# Altium PCB 控制盒基板.PcbDoc (part 5 of 8) (continued)
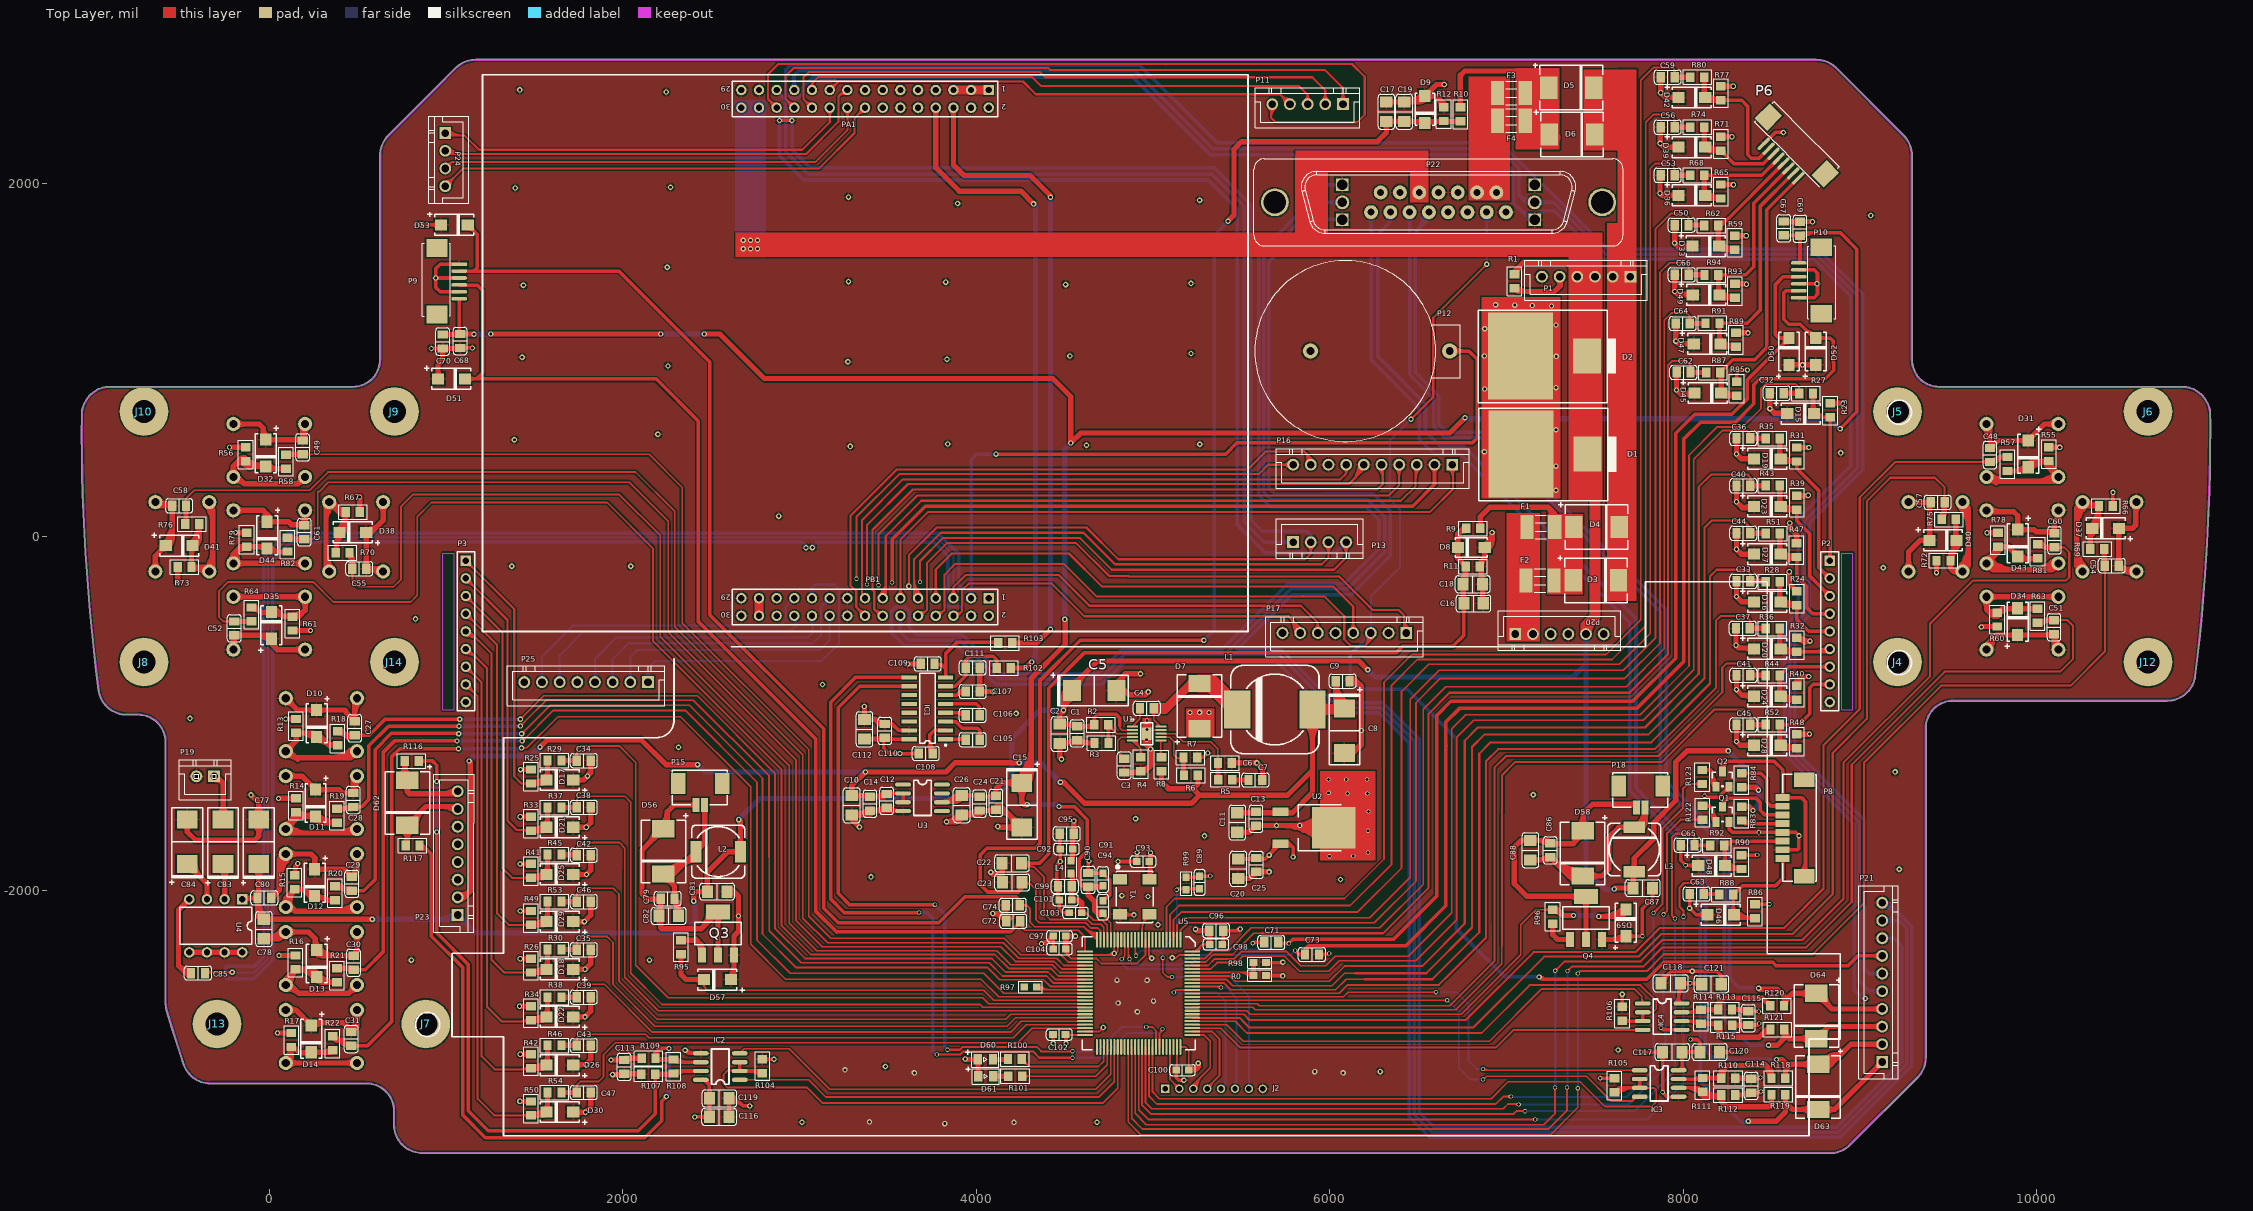
[diagram p0: Top Layer view]
## Nets (pads, with @x,y where several pads share a name; then routed paths per layer and width w, separated by ;. In a path a pad name is that pad's centre, name@x,y a point inside that pad or via, vN(x,y) a via of type N, cw(c..) or ccw(c..) an arc to the next point about the centre after c; other vN are vias at no path point) (continued)
NetD60_2: D60.2 R100.2 | length 85.6
  Top Layer w30: D60.2@4094.27,-2957 4175.63,-2957 R100.2@4178.63,-2954
NetD61_2: D61.2 R101.2 | length 84.7
  Top Layer w30: D61.2@4097.27,-3052.6 4180.59,-3052.6 R101.2@4181.59,-3051.6
NetIC2_6: IC2.6 R108.1 R109.2 R117.2 | length 4505.2
  Top Layer w20: R117.2@850.37,-1746 869,-1746 917,-1794 917,-2259 1096,-2438 1096,-3273 1222,-3399 2072,-3399 2125,-3399 2221,-3303 2221,-3194 v1@2248,-3167 ; R109.2@2185.41,-2950 2185.41,-2918.59 ; v1(2262,-2895) 2261,-2894 2210,-2894 ; R108.1@2287.04,-2957.63 2301.7,-2972.29 IC2.6@2442,-2972.29 ; R108.1@2299.57,-2968.2 cw(c2317.23,-2989.88) 2331.21,-2965.67 ; 2185.41,-2918.59 ccw(c2206.3,-2918.59) 2193.65,-2935.22 cw(c2206.3,-2918.59) 2185.41,-2918.59 ; 2185.41,-2918.59 cw(c2164.52,-2918.59) 2177.16,-2935.22 ccw(c2164.52,-2918.59) 2185.41,-2918.59 ; 2185.41,-2918.59 2210,-2894 ; 2210,-2894 ccw(c2243.48,-2927.48) 2198.38,-2941.91 cw(c2243.48,-2927.48) 2210,-2894 ; R117.2@850.37,-1763.56 cw(c850.37,-1850.93) 912.15,-1789.15 ccw(c850.37,-1850.93) R117.2@850.37,-1763.56 ; R117.2@850.37,-1743.56 cw(c850.37,-1782.64) 878.01,-1755.01 ccw(c850.37,-1782.64) R117.2@850.37,-1743.56 ; R109.2@2179.33,-2948.01 cw(c2208.34,-2938.73) 2186.8,-2917.2 ccw(c2208.34,-2938.73) R109.2@2179.33,-2948.01 ; R108.1@2286.47,-2962.14 ccw(c2310.97,-2937.64) 2310.97,-2972.29 cw(c2310.97,-2937.64) R108.1@2286.47,-2962.14 ; R108.1@2300.61,-2948 ccw(c2359.25,-2889.35) 2359.25,-2972.29 cw(c2359.25,-2889.35) R108.1@2300.61,-2948
  Top Layer w30: R109.2@2185.41,-2950 2193.04,-2957.63 R108.1@2287.04,-2957.63 ; R109.2@2191.51,-2947.84 ccw(c2215.14,-2924.21) 2215.14,-2957.63 cw(c2215.14,-2924.21) R109.2@2191.51,-2947.84
  Bottom Layer w20: v1(2247,-3167) 2262,-3152 v1(2262,-2895) ; v1@2251.83,-3165.71 cw(c2279.42,-3158.31) 2254.68,-3144.03 ; v1@2243.46,-3163.46 ccw(c2198.72,-3118.72) 2262,-3118.72 cw(c2198.72,-3118.72) v1@2243.46,-3163.46
NetIC2_7: IC2.7 R107.1 R108.2 R116.2 | length 4202.1
  Top Layer w20: R116.2@845.37,-1268 924,-1268 948,-1292 v1(948,-1384) ; v1(948,-1670) 948,-2241 1127,-2420 1127,-3248 1240,-3361 2088,-3361 2184.41,-3264.59 R107.1@2184.41,-3040 ; R108.2@2283.41,-3040 R108.2@2287.04,-3036.37 2301.12,-3022.29 IC2.7@2442,-3022.29 ; R108.2@2299.84,-3026.02 ccw(c2317.07,-3005.9) 2330.32,-3028.85 ; 878.26,-1268 ccw(c878.26,-1300.89) 855,-1277.63 cw(c878.26,-1300.89) 878.26,-1268 ; 878.26,-1268 cw(c878.26,-1235.11) 855,-1258.37 ccw(c878.26,-1235.11) 878.26,-1268 ; 2184.41,-3076.82 ccw(c2151.52,-3076.82) 2174.78,-3053.57 cw(c2151.52,-3076.82) 2184.41,-3076.82 ; 2184.41,-3076.82 cw(c2217.3,-3076.82) 2194.04,-3053.57 ccw(c2217.3,-3076.82) 2184.41,-3076.82 ; R108.2@2300.61,-3046 cw(c2357.85,-3103.25) 2357.85,-3022.29 ccw(c2357.85,-3103.25) R108.2@2300.61,-3046
  Top Layer w30: R107.1@2184.41,-3040 R108.2@2283.41,-3040 ; 2253.52,-3040 ccw(c2253.52,-3006.79) 2277,-3030.27 cw(c2253.52,-3006.79) 2253.52,-3040
  Bottom Layer w20: v1@943,-1675 v1(948,-1670) v1(948,-1384)
NetIC3_6: IC3.6 R111.1 R112.2 R119.2 | length 1588.9
  Top Layer w20: IC3.6@7974.04,-3117.71 8087.34,-3117.71 R111.1@8110,-3140.37 ; 8053.58,-3125.26 ccw(c8079.69,-3080.04) R111.1@8100.61,-3127.89 ; IC3.6@8008.04,-3119.44 cw(c8015.5,-3132.37) 8019.37,-3117.95 ccw(c8015.5,-3132.37) IC3.6@8008.04,-3119.44 ; IC3.6@8018.47,-3117.71 cw(c8018.47,-3227.97) 8096.43,-3150 ccw(c8018.47,-3227.97) IC3.6@8018.47,-3117.71 ; 8066.75,-3117.71 cw(c8066.75,-3179.68) 8110.57,-3135.86 ccw(c8066.75,-3179.68) 8066.75,-3117.71
  Top Layer w30: R111.1@8110,-3140.37 8110,-3153 8126,-3169 ; R111.1@8116.17,-3148.7 cw(c8128.92,-3196.27) 8153.54,-3153.62 ; R111.1@8121.54,-3144.43 ccw(c8140.66,-3154.63) 8129.83,-3173.39 ; R111.1@8121.72,-3144.08 ccw(c8141.49,-3153.51) 8126,-3169 ; 8173.82,-3160.95 ccw(c8182.36,-3129.09) R112.2@8208.73,-3148.89 ; R112.2@8222.28,-3167.42 ccw(c8244.55,-3185.76) 8224.15,-3206.15 ; R112.2@8224.07,-3163.71 ccw(c8288.7,-3177.3) 8242,-3224 ; R119.2@8499.63,-3156 8499.63,-3212.37 8488,-3224 8242,-3224 ; 8126,-3169 8204.63,-3169 R112.2@8215.63,-3158 8215.63,-3197.63 8242,-3224 ; R111.1@8098.82,-3155.49 ccw(c8131.44,-3122.86) 8131.44,-3169 cw(c8131.44,-3122.86) R111.1@8098.82,-3155.49 ; R111.1@8120.03,-3134.27 ccw(c8203.87,-3050.44) 8203.87,-3169 cw(c8203.87,-3050.44) R111.1@8120.03,-3134.27 ; 8177.76,-3169 ccw(c8177.76,-3124.07) 8209.53,-3155.84 cw(c8177.76,-3124.07) 8177.76,-3169
NetIC3_7: IC3.7 R110.1 R111.2 R118.2 | length 1142.7
  Top Layer w20: IC3.7@7974.04,-3067.71 8103.92,-3067.71 R111.2@8110,-3061.63 ; 8058.5,-3067.71 ccw(c8058.5,-3014.07) 8096.43,-3052 cw(c8058.5,-3014.07) 8058.5,-3067.71
  Top Layer w30: R111.2@8110,-3061.63 8214.26,-3061.63 R110.1@8215.63,-3063 8215.63,-3022.37 8247,-2991 ; R110.1@8210.4,-3052.21 ccw(c8180.51,-3013.07) 8229.32,-3019.61 ; 8459.15,-2982.15 cw(c8382.24,-3059.06) R118.2@8491.01,-3059.06 ; 8480.99,-3021.69 ccw(c8528.57,-3008.95) R118.2@8503.94,-3051.6 ; R118.2@8491.07,-3058.01 ccw(c8410.85,-3048.16) 8468,-2991 ; R118.2@8499.63,-3063 8499.63,-3022.63 8468,-2991 ; 8247,-2991 ccw(c8303.68,-3047.69) 8224.18,-3057.96 cw(c8303.68,-3047.69) 8247,-2991 ; 8247,-2991 8468,-2991 ; 8191.51,-3061.63 cw(c8191.51,-3087.12) 8209.53,-3069.1 ccw(c8191.51,-3087.12) 8191.51,-3061.63
NetIC4_6: IC4.6 R114.1 R115.2 R121.2 | length 1120.4
  Top Layer w20: IC4.6@7991.04,-2739.71 8086.34,-2739.71 R114.1@8101,-2754.37 ; 8056.83,-2746.33 ccw(c8070.81,-2722.11) R114.1@8088.47,-2743.81 ; IC4.6@8028.78,-2739.71 cw(c8028.78,-2822.65) 8087.43,-2764 ccw(c8028.78,-2822.65) IC4.6@8028.78,-2739.71 ; R114.1@8077.06,-2739.71 cw(c8077.06,-2774.37) 8101.57,-2749.86 ccw(c8077.06,-2774.37) R114.1@8077.06,-2739.71
  Top Layer w30: R114.1@8101,-2754.37 8190,-2754.37 R115.2@8198.63,-2763 8198.63,-2801.63 8229,-2832 ; R115.2@8206.07,-2771.29 ccw(c8236.95,-2789.36) 8211.65,-2814.65 ; R115.2@8207.18,-2768.04 ccw(c8283.18,-2777.81) 8229,-2832 ; 8456.26,-2809.57 ccw(c8443.51,-2762) R121.2@8486.16,-2786.63 ; R121.2@8472.63,-2788 8428.63,-2832 8229,-2832 ; R121.2@8493.63,-2787 8495.63,-2789 R121.2@8497,-2789 ; 8166.48,-2754.37 cw(c8166.48,-2791.21) 8192.53,-2765.16 ccw(c8166.48,-2791.21) 8166.48,-2754.37 ; 8438.05,-2822.58 cw(c8493.63,-2878.16) 8493.63,-2799.56 ccw(c8493.63,-2878.16) 8438.05,-2822.58
NetIC4_7: IC4.7 R113.1 R114.2 R120.2 | length 994
  Top Layer w20: IC4.7@7991.04,-2689.71 8086.92,-2689.71 R114.2@8101,-2675.63 R114.2@8102.63,-2674 ; 8057.72,-2683.15 cw(c8070.97,-2706.09) R114.2@8088.2,-2685.98 ; IC4.7@8030.19,-2689.71 ccw(c8030.19,-2608.76) 8087.43,-2666 cw(c8030.19,-2608.76) IC4.7@8030.19,-2689.71
  Top Layer w30: R114.2@8101,-2675.63 8196,-2675.63 R113.1@8197.63,-2674 8197.63,-2636.37 8225,-2609 ; R113.1@8192.1,-2663.44 ccw(c8160.55,-2625.63) 8209.6,-2630.05 ; R120.2@8491.63,-2653 8447.63,-2609 8225,-2609 ; 8225,-2609 ccw(c8272.98,-2656.98) 8206.12,-2668.59 cw(c8272.98,-2656.98) 8225,-2609 ; 8172.88,-2675.63 ccw(c8172.88,-2649.25) 8191.53,-2667.9 cw(c8172.88,-2649.25) 8172.88,-2675.63 ; R120.2@8470.19,-2631.56 ccw(c8491.63,-2610.12) 8491.63,-2640.44 cw(c8491.63,-2610.12) R120.2@8470.19,-2631.56
NetP1_5: P1.5 R1.2 | length 637.3
  Top Layer w30: R1.2@7046,1406.63 7064.63,1388 7272,1388 7304,1420 P1.5@7304,1467 ; R1.2@7052.17,1398.3 cw(c7064.92,1350.73) 7089.54,1393.38 ; R1.2@7056.03,1412.73 ccw(c7115.73,1472.42) 7115.73,1388 cw(c7115.73,1472.42) R1.2@7056.03,1412.73 ; P1.5@7287.94,1458.94 cw(c7249.18,1420.18) 7304,1420.18 ccw(c7249.18,1420.18) P1.5@7287.94,1458.94 ; 7304,1434.67 cw(c7338.34,1434.67) 7314.06,1458.94 ccw(c7338.34,1434.67) 7304,1434.67
NetP8_5: P8.5 R83.2 | length 566
  Top Layer w20: R83.2@8331,-1605.37 8348.42,-1622.79 P8.5@8562.97,-1622.79 ; R83.2@8342.35,-1616.8 cw(c8361.65,-1646.59) 8379.4,-1615.85 ; 8519.91,-1622.79 ccw(c8519.91,-1599.41) 8536.44,-1615.95 cw(c8519.91,-1599.41) 8519.91,-1622.79 ; 8519.91,-1622.79 cw(c8519.91,-1646.18) 8536.44,-1629.64 ccw(c8519.91,-1646.18) 8519.91,-1622.79 ; R83.2@8330.43,-1609.88 ccw(c8361.6,-1578.7) 8361.6,-1622.79 cw(c8361.6,-1578.7) R83.2@8330.43,-1609.88 ; R83.2@8344.57,-1595.74 ccw(c8409.89,-1530.42) 8409.89,-1622.79 cw(c8409.89,-1530.42) R83.2@8344.57,-1595.74
NetP8_7: P8.7 R84.2 | length 560.5
  Top Layer w20: R84.2@8331,-1337.63 8438.63,-1337.63 8473,-1372 8473,-1499 8497,-1523 8561.62,-1523 P8.7@8562.97,-1524.35 ; 8367.82,-1337.63 ccw(c8367.82,-1370.52) 8344.57,-1347.26 cw(c8367.82,-1370.52) 8367.82,-1337.63 ; 8367.82,-1337.63 cw(c8367.82,-1304.74) 8344.57,-1328 ccw(c8367.82,-1304.74) 8367.82,-1337.63 ; 8516.64,-1523 cw(c8516.64,-1551.01) 8536.44,-1531.2 ccw(c8516.64,-1551.01) 8516.64,-1523 ; 8523.18,-1523 ccw(c8523.18,-1504.24) 8536.44,-1517.51 cw(c8523.18,-1504.24) 8523.18,-1523
NetQ1_1: Q1.1 R122.1 | length 508.4
  Top Layer w20: R122.1@8109,-1521.47 8110.53,-1523 8148,-1523 ; 8164.08,-1577.08 cw(c8137.82,-1603.34) Q1.1@8174.92,-1605 ; 8173.49,-1568.36 cw(c8141.77,-1587.16) Q1.1@8175.69,-1601.63 ; Q1.1@8175.07,-1603.69 ccw(c8149.92,-1599.08) 8168,-1581 ; Q1.1@8184.6,-1613.31 8184.6,-1597.6 8168,-1581 ; 8148,-1523 cw(c8148,-1488.48) 8122.86,-1512.14 ccw(c8148,-1488.48) 8148,-1523 ; 8148,-1523 8168,-1543 ; 8168,-1581 8168,-1543 ; 8168,-1543 ccw(c8245.6,-1543) 8191.37,-1598.51 cw(c8245.6,-1543) 8168,-1543 ; R122.1@8122.57,-1531.1 cw(c8142.14,-1550.67) 8142.14,-1523 ccw(c8142.14,-1550.67) R122.1@8122.57,-1531.1 ; Q1.1@8168,-1590.51 ccw(c8199.18,-1590.51) 8177.39,-1612.81 cw(c8199.18,-1590.51) Q1.1@8168,-1590.51
NetQ2_1: Q2.1 R123.1 | length 506.2
  Top Layer w20: R123.1@8108,-1319.47 8154.47,-1319.47 8165,-1330 8165,-1394.71 Q2.1@8184.6,-1414.31 ; 8170.78,-1363.79 cw(c8127.21,-1388.94) Q2.1@8175.33,-1403.61 ; 8144.82,-1319.47 ccw(c8144.82,-1352.36) 8121.57,-1329.1 cw(c8144.82,-1352.36) 8144.82,-1319.47 ; 8144.82,-1319.47 cw(c8144.82,-1286.59) 8121.57,-1309.84 ccw(c8144.82,-1286.59) 8144.82,-1319.47 ; 8165,-1384.02 ccw(c8207.01,-1384.02) 8177.3,-1413.73 cw(c8207.01,-1384.02) 8165,-1384.02 ; 8165,-1335.74 ccw(c8255.3,-1335.74) 8191.45,-1399.59 cw(c8255.3,-1335.74) 8165,-1335.74
NetQ3_1: Q3.1 R95.1 | length 361.7
  Top Layer w30: R95.1@2330,-2282.63 2418.63,-2282.63 ; 2413.1,-2277.1 cw(c2343.82,-2346.38) Q3.1@2441.8,-2346.38 ; 2434.07,-2317.54 ccw(c2470.78,-2307.7) Q3.1@2451.78,-2340.61 ; Q3.1@2441.82,-2345.83 ccw(c2362.01,-2339.26) 2418.63,-2282.63 ; Q3.1@2448.45,-2367.05 2448.45,-2312.45 2418.63,-2282.63
NetQ4_1: Q4.1 R96.1 | length 171.3
  Top Layer w30: R96.1@7262,-2188.37 7262,-2251 7289.05,-2278.05 Q4.1@7359.45,-2278.05
NetR0_2: R0.2 R98.2 U5.94 | length 858.2
  Top Layer w10: U5.94@5222.15,-2464.89 5551.46,-2464.89 R0.2@5568.57,-2482 ; 5526.21,-2473.67 ccw(c5539.77,-2451.94) R0.2@5556.82,-2471.05 ; 5534.29,-2468.57 ccw(c5547.41,-2445.84) R0.2@5559.72,-2469.03 ; 5537.53,-2480.73 ccw(c5549.02,-2462.31) R0.2@5563.48,-2478.51 ; 5543.09,-2473.66 cw(c5533.09,-2490.98) R0.2@5552.41,-2485.8 ; 5489.84,-2464.89 cw(c5489.84,-2558.76) 5556.21,-2492.38 ccw(c5489.84,-2558.76) 5489.84,-2464.89 ; 5513.98,-2464.89 cw(c5513.98,-2534.62) 5563.29,-2485.31 ccw(c5513.98,-2534.62) 5513.98,-2464.89 ; 5538.12,-2464.89 cw(c5538.12,-2510.48) 5570.36,-2478.24 ccw(c5538.12,-2510.48) 5538.12,-2464.89
  Top Layer w30: R0.2@5568.57,-2482 R98.2@5568.57,-2409
NetR2_2: R2.2 R3.2 U1.3 | length 741.3
  Top Layer w8: R2.2@4742.15,-1068.1 ccw(c4774.81,-1059.11) 4766.04,-1091.83 ; R2.2@4746.37,-1063 4748.37,-1065 4796.37,-1113 U1.3@4883.29,-1113 ; R2.2@4746.93,-1062.59 cw(c4743.39,-1090.23) 4770.3,-1083.02 ; R2.2@4746.37,-1086.56 cw(c4746.37,-1143.44) 4786.59,-1103.22 ccw(c4746.37,-1143.44) R2.2@4746.37,-1086.56 ; R2.2@4746.37,-1078.56 cw(c4746.37,-1116.12) 4772.93,-1089.56 ccw(c4746.37,-1116.12) R2.2@4746.37,-1078.56 ; R2.2@4765.99,-1066.94 ccw(c4803.86,-1066.94) 4777.08,-1093.71 cw(c4803.86,-1066.94) R2.2@4765.99,-1066.94
  Top Layer w20: R3.2@4748.37,-1166 R2.2@4748.37,-1065 ; 4748.37,-1129.18 ccw(c4781.26,-1129.18) 4758,-1152.43 cw(c4781.26,-1129.18) 4748.37,-1129.18 ; 4748.37,-1129.18 cw(c4715.48,-1129.18) 4738.74,-1152.43 ccw(c4715.48,-1129.18) 4748.37,-1129.18 ; R2.2@4736.74,-1076.57 cw(c4708.66,-1104.65) 4748.37,-1104.65 ccw(c4708.66,-1104.65) R2.2@4736.74,-1076.57 ; 4748.37,-1095 cw(c4774.43,-1095) 4756,-1076.57 ccw(c4774.43,-1095) 4748.37,-1095
NetR4_2: R4.2 U1.5 | length 462.3
  Top Layer w8: U1.5@4883.29,-1152.37 4931,-1200.08 ; U1.5@4886.79,-1152.37 ccw(c4895.23,-1152.37) 4889.26,-1158.34 ; U1.5@4894.79,-1152.37 ccw(c4922.54,-1152.37) 4902.92,-1172 ; U1.5@4902.79,-1152.37 ccw(c4949.85,-1152.37) 4916.57,-1185.65 ; U1.5@4910.79,-1152.37 ccw(c4977.17,-1152.37) 4930.23,-1199.31 ; R4.2@4931,-1246.63 4931,-1200.08 ; 4931,-1219.06 ccw(c4957.89,-1219.06) 4939.12,-1238.31 cw(c4957.89,-1219.06) 4931,-1219.06 ; 4931,-1219.06 cw(c4904.11,-1219.06) 4922.89,-1238.31 ccw(c4904.11,-1219.06) 4931,-1219.06 ; 4931,-1200.08 ccw(c4976.4,-1200.08) 4944.7,-1232.58 cw(c4976.4,-1200.08) 4931,-1200.08 ; 4931,-1200.08 cw(c4885.6,-1200.08) 4917.3,-1232.58 ccw(c4885.6,-1200.08) 4931,-1200.08
NetR6_1: R6.1 R7.2 U1.7 | length 460.7
  Top Layer w8: U1.7@5044.71,-1132.68 5095.68,-1132.68 5119,-1156 5119,-1233 5138,-1252 ; R7.2@5172.63,-1248 5168.63,-1252 5138,-1252 ; 5138,-1252 ccw(c5138,-1231.32) 5155.77,-1241.9 cw(c5138,-1231.32) 5138,-1252 ; 5138,-1252 cw(c5138,-1272.81) 5155.82,-1262.07 ccw(c5138,-1272.81) 5138,-1252
  Top Layer w30: R7.2@5172.63,-1248 5172.63,-1346 R6.1@5175.63,-1349 ; 5172.63,-1317 ccw(c5203.69,-1317) 5181.73,-1338.97 cw(c5203.69,-1317) 5172.63,-1317
NetR8_1: R8.1 U1.6 | length 333.6
  Top Layer w8: U1.6@5044.71,-1152.37 5044.71,-1244.34 R8.1@5048,-1247.63 ; R8.1@5030.19,-1233.76 ccw(c4995.13,-1198.7) 5044.71,-1198.7 cw(c4995.13,-1198.7) R8.1@5030.19,-1233.76 ; R8.1@5035.85,-1239.41 ccw(c5014.45,-1218.02) 5044.71,-1218.02 cw(c5014.45,-1218.02) R8.1@5035.85,-1239.41 ; 5044.71,-1221.13 ccw(c5070.56,-1221.13) 5052.28,-1239.41 cw(c5070.56,-1221.13) 5044.71,-1221.13 ; 5044.71,-1201.82 ccw(c5089.88,-1201.82) 5057.94,-1233.76 cw(c5089.88,-1201.82) 5044.71,-1201.82
NetR97_1: R97.1 U5.37 | length 678.7
  Top Layer w10: R97.1@4343.43,-2547 4358.81,-2562.38 4614.92,-2562.38 U5.37@4615.85,-2563.31 ; R97.1@4348.6,-2550.43 cw(c4363.2,-2566.06) 4374.24,-2547.74 ; R97.1@4353.3,-2559.38 cw(c4364.58,-2577.06) 4375.06,-2558.9 ; R97.1@4355.42,-2557.74 cw(c4372.59,-2576.13) 4385.58,-2554.58 ; R97.1@4359.59,-2543.2 ccw(c4378.91,-2538.02) 4368.91,-2555.35 ; R97.1@4341.64,-2550.76 ccw(c4369.7,-2522.7) 4369.7,-2562.38 cw(c4369.7,-2522.7) R97.1@4341.64,-2550.76 ; R97.1@4348.71,-2543.69 ccw(c4393.84,-2498.56) 4393.84,-2562.38 cw(c4393.84,-2498.56) R97.1@4348.71,-2543.69 ; R97.1@4355.79,-2536.62 ccw(c4417.98,-2474.42) 4417.98,-2562.38 cw(c4417.98,-2474.42) R97.1@4355.79,-2536.62
NRST: C89.1 J2.7 R99.2 U5.14 | length 2617.1
  Top Layer w10: U5.14@4899.31,-2279.85 4899.31,-2365.31 v2(4904,-2370) ; v2@4900.02,-2364.24 ccw(c4895.47,-2357.68) 4902.39,-2353.68 ; v2(5056,-2382) 5056,-2465 5081,-2490 v2(5108,-2490) ; v2@5103.05,-2494.95 ccw(c5091.1,-2506.9) 5091.1,-2490 ccw(c5091.1,-2473.1) v2@5103.05,-2485.05 ; 5056,-2398.9 ccw(c5039.1,-2398.9) 5051.05,-2386.95 cw(c5039.1,-2398.9) 5056,-2398.9 ; 5056,-2398.9 cw(c5072.9,-2398.9) 5060.95,-2386.95 ccw(c5072.9,-2398.9) 5056,-2398.9 ; 4899.31,-2341.79 ccw(c4932.21,-2341.79) 4908.95,-2365.05 cw(c4932.21,-2341.79) 4899.31,-2341.79
  Top Layer w20: v2@5140.57,-1990.43 C89.1@5264,-1990.43 ; 5240.62,-1990.43 ccw(c5240.62,-1967.05) 5257.15,-1983.58 cw(c5240.62,-1967.05) 5240.62,-1990.43 ; 5240.62,-1990.43 cw(c5240.62,-2013.81) 5257.15,-1997.28 ccw(c5240.62,-2013.81) 5240.62,-1990.43 ; v2@5135.41,-1998.41 cw(c5154.68,-2017.68) 5154.68,-1990.43 ccw(c5154.68,-2017.68) v2@5135.41,-1998.41 ; 5155.11,-1990.43 cw(c5155.11,-2027.26) 5181.15,-2001.22 ccw(c5155.11,-2027.26) 5155.11,-1990.43 ; R99.2@5194.85,-2001.22 cw(c5220.89,-2027.26) 5220.89,-1990.43 ccw(c5220.89,-2027.26) R99.2@5194.85,-2001.22
  Bottom Layer w10: v2(4904,-2370) 4932,-2342 5039,-2342 5056,-2359 v2(5056,-2382) ; v2@4904,-2363 ccw(c4904,-2346.1) 4915.95,-2358.05 ccw(c4927.9,-2370) v2@4911,-2370 ; 5044,-2342 5134,-2252 v2(5134,-1997) ; v2@5051.05,-2377.05 ccw(c5039.1,-2365.1) 5056,-2365.1 ccw(c5072.9,-2365.1) v2@5060.95,-2377.05 ; v2(5108,-2490) 5435,-2490 5542.85,-2597.85 J2.7@5542.85,-3123 ; 5124.9,-2490 ccw(c5124.9,-2506.9) 5112.95,-2494.95 cw(c5124.9,-2506.9) 5124.9,-2490 ; 5124.9,-2490 cw(c5124.9,-2473.1) 5112.95,-2485.05 ccw(c5124.9,-2473.1) 5124.9,-2490 ; 5134,-2013.9 ccw(c5117.1,-2013.9) 5129.05,-2001.95 cw(c5117.1,-2013.9) 5134,-2013.9 ; 5134,-2013.9 cw(c5150.9,-2013.9) 5138.95,-2001.95 ccw(c5150.9,-2013.9) 5134,-2013.9 ; 5542.85,-3078.04 ccw(c5587.81,-3078.04) 5556.02,-3109.83 cw(c5587.81,-3078.04) 5542.85,-3078.04 ; 5542.85,-3078.04 cw(c5497.89,-3078.04) 5529.68,-3109.83 ccw(c5497.89,-3078.04) 5542.85,-3078.04
OMAP__CAN1H: PB1.26
OMAP__CAN1L: PB1.25
OMAP_RS232_RXD1: PA1.8 R102.2 | length 3908.8
  Top Layer w30: PA1.8@3771,2428 3771,2089 3904,1956 4253,1956 v1(4325,1884) ; R102.2@4195.37,-742 4280,-742 v1(4314,-708) ; 3771,2392.93 ccw(c3735.93,2392.93) 3760.73,2417.73 cw(c3735.93,2392.93) 3771,2392.93 ; 3771,2392.93 cw(c3806.07,2392.93) 3781.27,2417.73 ccw(c3806.07,2392.93) 3771,2392.93
  Bottom Layer w30: 4335,-657.3 cw(c4263.3,-657.3) v1(4314,-708) 4335,-687 4335,1874 v1(4325,1884) cw(c4300.86,1859.86) 4335,1859.86
OMAP_RS232_RXD2: PA1.4
OMAP_RS232_TXD1: PA1.6 R103.2 | length 3719.2
  Top Layer w30: PA1.6@3860.73,2417.73 cw(c3835.93,2392.93) 3871,2392.93 cw(c3906.07,2392.93) PA1.6@3881.27,2417.73 ; PA1.6@3871,2428 3871,2104 3931,2044 4306,2044 4420,1930 v1(4420,1921) ccw(c4398.27,1921) 4413.64,1936.36 ; R103.2@4203.37,-601 4342,-601 v1(4420,-523)
  Bottom Layer w30: v1(4420,-523) v1(4420,1921)
OMAP_RS232_TXD2: PA1.2
"RJ45 RX+": P24.2 PA1.17 | length 3277.6
  Top Layer w12: P24.2@996,2184 1015,2165 3037,2165 3220,2348 3220,2491 ; P24.2@1008.28,2174.6 cw(c1023.73,2162.79) 1033.45,2179.63 ; P24.2@1016.97,2166.26 cw(c1024.6,2159.8) 1029.61,2168.46 cw(c1035.99,2179.53) P24.2@1023.3,2180.95 ; P24.2@1017.81,2167.31 cw(c1034.67,2154.41) 1045.28,2172.8 ; P24.2@1022.53,2191.11 ccw(c1037.31,2195.07) 1029.66,2181.81 ; 3231.31,2502.31 cw(c3266,2467.62) PA1.17@3270.05,2516.51 ; 3235.8,2506.8 cw(c3261.47,2481.12) PA1.17@3268.7,2516.7 ; 3243.55,2511.71 cw(c3246.89,2493.23) PA1.17@3257.6,2508.66 ; PA1.17@3266.31,2504.94 ccw(c3256.13,2454.87) 3220,2491 ; PA1.17@3271,2528 3257,2528 3220,2491 ; P24.2@998.45,2186.45 ccw(c1050.23,2238.23) 1050.23,2165 cw(c1050.23,2238.23) P24.2@998.45,2186.45 ; P24.2@1006.94,2194.93 ccw(c1079.2,2267.2) 1079.2,2165 cw(c1079.2,2267.2) P24.2@1006.94,2194.93 ; P24.2@1015.42,2203.42 ccw(c1108.17,2296.17) 1108.17,2165 cw(c1108.17,2296.17) P24.2@1015.42,2203.42 ; 3240.74,2511.74 ccw(c3224.47,2528) 3247.47,2528 cw(c3224.47,2528) 3240.74,2511.74
"RJ45 RX-": P24.1 PA1.20 | length 2981.3
  Top Layer w12: P24.1@996,2284 1010,2270 1107,2270 1187,2190 3015,2190 3171,2346 PA1.20@3171,2428 ; P24.1@1022.53,2291.11 ccw(c1037.31,2295.07) 1029.66,2281.81 ; 3171,2371.2 ccw(c3114.2,2371.2) 3154.36,2411.36 cw(c3114.2,2371.2) 3171,2371.2 ; 3171,2371.2 cw(c3227.8,2371.2) 3187.64,2411.36 ccw(c3227.8,2371.2) 3171,2371.2 ; P24.1@998.45,2286.45 ccw(c1038.16,2326.16) 1038.16,2270 cw(c1038.16,2326.16) P24.1@998.45,2286.45 ; P24.1@1006.94,2294.93 ccw(c1067.13,2355.13) 1067.13,2270 cw(c1067.13,2355.13) P24.1@1006.94,2294.93 ; P24.1@1015.42,2264.58 cw(c1028.51,2251.49) 1028.51,2270 ccw(c1028.51,2251.49) P24.1@1015.42,2264.58 ; P24.1@1015.42,2303.42 ccw(c1096.1,2384.1) 1096.1,2270 cw(c1096.1,2384.1) P24.1@1015.42,2303.42
"RJ45 TX+": P24.4 PA1.16 | length 3303.7
  Top Layer w12: P24.4@987.64,1985.71 cw(c1027.9,1977.47) 1017.26,2017.16 ; P24.4@996,1984 1097,2085 1163,2085 ; P24.4@997.71,1975.64 ccw(c989.47,2015.9) 1029.16,2005.26 ; 1152,2085 1163,2085 ; 3339.73,2399.1 cw(c3379.08,2388.55) PA1.16@3370.91,2428.46 ; 3342.1,2396.73 ccw(c3331.55,2436.08) PA1.16@3371.46,2427.9 ; PA1.16@3371,2428 3311,2368 3311,2285 3111,2085 1163,2085 ; 1022.4,2010.4 ccw(c1048.8,1984) 1011.47,1984 cw(c1048.8,1984) 1022.4,2010.4 ; 1022.4,2010.4 cw(c996,2036.8) 996,1999.46 ccw(c996,2036.8) 1022.4,2010.4 ; 1042.89,2030.88 ccw(c1089.77,1984) 1023.47,1984 cw(c1089.77,1984) 1042.89,2030.88 ; 1042.89,2030.88 cw(c996,2077.77) 996,2011.46 ccw(c996,2077.77) 1042.89,2030.88 ; 3330.84,2387.84 ccw(c3290.67,2428) 3347.47,2428 cw(c3290.67,2428) 3330.84,2387.84 ; 3330.84,2387.84 cw(c3371,2347.67) 3371,2404.47 ccw(c3371,2347.67) 3330.84,2387.84
"RJ45 TX-": P24.3 PA1.18 | length 2752.5
  Top Layer w12: P24.3@996,2084 1032,2120 ; P24.3@1001.57,2110.89 ccw(c1008.34,2143.65) 1032,2120 ; P24.3@1022.9,2089.56 cw(c1055.65,2096.34) 1032,2120 ; 1087,2120 1103,2120 ; PA1.18@3271,2428 3271,2301 3090,2120 1103,2120 ; 1032,2120 1103,2120 ; 3271,2371.2 ccw(c3214.2,2371.2) 3254.36,2411.36 cw(c3214.2,2371.2) 3271,2371.2 ; 3271,2371.2 cw(c3327.8,2371.2) 3287.64,2411.36 ccw(c3327.8,2371.2) 3271,2371.2
RS232_RXD2: P23.4
RS232_TXD2: P23.5
RS485-A2: D62.2 P23.7 R117.1 | length 1333.4
  Top Layer w30: R117.1@771.63,-1746 781,-1736.63 D62.2@781,-1632.95 887.95,-1526 1052,-1526 P23.7@1066,-1540 ; 776.8,-1716.46 ccw(c792.33,-1725.43) R117.1@778.35,-1736.66 ; D62.2@793.42,-1628.97 ccw(c767.63,-1553.38) 844.78,-1574.05 ; 1020.45,-1534.3 ccw(c1032.62,-1513.23) P23.7@1051.6,-1528.45 ; 781,-1715.55 ccw(c698.4,-1715.55) 756.81,-1657.14 cw(c698.4,-1715.55) 781,-1715.55 ; 781,-1715.55 cw(c863.6,-1715.55) 805.19,-1657.14 ccw(c863.6,-1715.55) 781,-1715.55 ; R117.1@765.53,-1735.97 ccw(c728.19,-1698.63) 781,-1698.63 cw(c728.19,-1698.63) R117.1@765.53,-1735.97 ; D62.2@794.78,-1598.74 ccw(c794.78,-1549.41) 829.66,-1584.29 cw(c794.78,-1549.41) D62.2@794.78,-1598.74 ; D62.2@828.99,-1632.95 cw(c944.86,-1632.95) 862.93,-1551.02 ccw(c944.86,-1632.95) D62.2@828.99,-1632.95 ; 987.62,-1526 cw(c987.62,-1618.38) 1052.94,-1553.06 ccw(c987.62,-1618.38) 987.62,-1526
RS485-A3: D63.2 P21.1 P22.15 R119.1 | length 8054.2
  Top Layer w30: v1(8368,-3307) 8525,-3307 8578.37,-3253.63 8578.37,-3200.37 ; R119.1@8578.37,-3156 8578.37,-3200.37 ; P21.1@9126,-2971 8857.05,-3239.95 ; 8578.37,-3200.37 8617.95,-3239.95 D63.2@8764,-3239.95 8857.05,-3239.95 ; 8667.62,-3239.95 ccw(c8667.62,-3157.36) 8726.03,-3215.76 cw(c8667.62,-3157.36) 8667.62,-3239.95 ; 8667.62,-3239.95 cw(c8667.62,-3322.55) 8726.03,-3264.14 ccw(c8667.62,-3322.55) 8667.62,-3239.95 ; 8857.04,-3239.95 ccw(c8857.04,-3314.66) 8802.68,-3263.42 cw(c8857.04,-3314.66) 8857.04,-3239.95 ; 8857.04,-3239.95 cw(c8857.04,-3165.24) 8802.68,-3216.49 ccw(c8857.04,-3165.24) 8857.04,-3239.95 ; P21.1@9094.48,-3002.52 ccw(c9062.96,-2971) 9107.54,-2971 cw(c9062.96,-2971) P21.1@9094.48,-3002.52 ; P21.1@9094.48,-3002.52 cw(c9126,-3034.04) 9126,-2989.46 ccw(c9126,-3034.04) P21.1@9094.48,-3002.52
  Bottom Layer w12: v1@8361,-3301 v1@8368,-3301
  Bottom Layer w20: P22.15@6233.97,1836.76 6233.97,1001.03 6507,728 6507,553 6592,468 6742,468 7697,-487 7697,-1435 8097,-1835 8097,-3079 8329,-3311 v1@8361,-3311 ; 6233.97,1765.85 ccw(c6163.06,1765.85) 6213.2,1815.99 cw(c6163.06,1765.85) 6233.97,1765.85 ; 6233.97,1765.85 cw(c6304.87,1765.85) 6254.74,1815.99 ccw(c6304.87,1765.85) 6233.97,1765.85 ; 8346.27,-3311 ccw(c8346.27,-3285.27) 8364.46,-3303.46 cw(c8346.27,-3285.27) 8346.27,-3311
RS485-A4: D64.2 P21.3 P22.13 R121.1 | length 7454.6
  Top Layer w30: v1(8483,-2877) 8532,-2877 8572.37,-2836.63 R121.1@8572.37,-2787 8572.37,-2810.37 8600.95,-2838.95 D64.2@8753,-2838.95 8820.95,-2771 ; R121.1@8580.77,-2792.86 ccw(c8618.87,-2801.6) 8591.23,-2829.23 ; R121.1@8580.99,-2790.94 ccw(c8648.72,-2790.94) 8600.83,-2838.83 ; P21.3@9126,-2771 8820.95,-2771 ; 8656.62,-2838.95 ccw(c8656.62,-2756.36) 8715.03,-2814.76 cw(c8656.62,-2756.36) 8656.62,-2838.95 ; 8656.62,-2838.95 cw(c8656.62,-2921.55) 8715.03,-2863.14 ccw(c8656.62,-2921.55) 8656.62,-2838.95 ; 8820.95,-2771 ccw(c8872.27,-2822.33) 8800.58,-2833.63 cw(c8872.27,-2822.33) 8820.95,-2771 ; 9081.42,-2771 ccw(c9081.42,-2726.42) 9112.94,-2757.94 cw(c9081.42,-2726.42) 9081.42,-2771 ; 9081.42,-2771 cw(c9081.42,-2815.58) 9112.94,-2784.06 ccw(c9081.42,-2815.58) 9081.42,-2771 ; D64.2@8766.78,-2804.74 ccw(c8766.78,-2755.41) 8801.66,-2790.29 cw(c8766.78,-2755.41) D64.2@8766.78,-2804.74
  Bottom Layer w20: P22.13@6452.08,1836.76 6452.08,916.92 6588,781 6588,624 6652,560 6887,560 7871,-424 7871,-1396 8233,-1758 8233,-2733 8377,-2877 v1@8481,-2877 ; 6452.08,1765.85 ccw(c6381.17,1765.85) 6431.31,1815.99 cw(c6381.17,1765.85) 6452.08,1765.85 ; 6452.08,1765.85 cw(c6522.98,1765.85) 6472.85,1815.99 ccw(c6522.98,1765.85) 6452.08,1765.85
RS485-B2: D62.1 P23.8 R116.1 | length 1205.9
  Top Layer w30: R116.1@765.63,-1258 765.63,-1361.68 D62.1@781,-1377.05 ; D62.1@768,-1390.05 D62.1@781,-1377.05 ; 770.04,-1307.07 cw(c809.27,-1296.56) R116.1@774.1,-1276.25 ; D62.1@770.59,-1401.24 cw(c745.45,-1426.38) 781,-1426.38 ; 781,-1442.47 cw(c815.37,-1442.47) D62.1@805.05,-1409.68 ; 1021.98,-1444.82 cw(c1033.14,-1464.14) P23.8@1051.12,-1450.93 ; P23.8@1066,-1440 1053,-1453 793,-1453 781,-1441 ; 781,-1441 ccw(c738.34,-1441) 762.01,-1405.51 cw(c738.34,-1441) 781,-1441 ; 781,-1441 cw(c823.66,-1441) 799.99,-1405.51 ccw(c823.66,-1441) 781,-1441 ; 781,-1441 D62.1@781,-1377.05 ; D62.1@743.03,-1352.85 ccw(c688.46,-1298.29) 765.63,-1298.29 cw(c688.46,-1298.29) D62.1@743.03,-1352.85 ; R116.1@765.63,-1290.61 ccw(c853.66,-1290.61) 791.41,-1352.85 cw(c853.66,-1290.61) R116.1@765.63,-1290.61 ; 990.04,-1453 ccw(c990.04,-1364.04) 1052.94,-1426.94 cw(c990.04,-1364.04) 990.04,-1453
RS485-B3: D63.1 P21.2 P22.14 R118.1 | length 8419.7
  Top Layer w30: v1(8528,-2957) 8559,-2957 8578.37,-2976.37 8578.37,-3016.63 ; R118.1@8578.37,-3063 8578.37,-3016.63 ; D63.1@8781.43,-2986.15 cw(c8887.95,-3047.65) 8856.11,-2928.84 ; D63.1@8794.89,-2954.42 ccw(c8829.24,-2894.92) 8847.02,-2961.28 ; D63.1@8808.08,-2999.93 cw(c8882.99,-3039.2) 8861.1,-2957.51 ; P21.2@9126,-2871 8950,-2871 8836.95,-2984.05 D63.1@8764,-2984.05 8610.95,-2984.05 8578.37,-3016.63 ; 8667.62,-2984.05 ccw(c8667.62,-2901.45) 8726.03,-2959.85 cw(c8667.62,-2901.45) 8667.62,-2984.05 ; 8667.62,-2984.05 cw(c8667.62,-3066.64) 8726.03,-3008.24 ccw(c8667.62,-3066.64) 8667.62,-2984.05 ; 8836.95,-2984.05 ccw(c8836.95,-3018.11) 8807.43,-3001.11 cw(c8836.95,-3018.11) 8836.95,-2984.05 ; 8836.95,-2984.05 cw(c8836.95,-2949.98) 8807.43,-2966.98 ccw(c8836.95,-2949.98) 8836.95,-2984.05 ; 9081.42,-2871 ccw(c9081.42,-2826.42) 9112.94,-2857.94 cw(c9081.42,-2826.42) 9081.42,-2871 ; 9081.42,-2871 cw(c9081.42,-2915.58) 9112.94,-2884.06 ccw(c9081.42,-2915.58) 9081.42,-2871 ; D63.1@8777.78,-3009.83 ccw(c8777.78,-2929.23) 8834.77,-2986.23 cw(c8777.78,-2929.23) D63.1@8777.78,-3009.83 ; D63.1@8777.78,-2979.83 ccw(c8777.78,-2826.81) 8885.99,-2935.01 cw(c8777.78,-2826.81) D63.1@8777.78,-2979.83 ; D63.1@8777.78,-2949.83 ccw(c8777.78,-2724.38) 8937.2,-2883.8 cw(c8777.78,-2724.38) D63.1@8777.78,-2949.83
  Bottom Layer w20: P22.14@6343.02,1836.76 6343.02,1782.02 ; v1(8528,-2957) 8177,-2957 8125,-2905 8125,-1814 7733,-1422 7733,-462 6758,513 6626,513 6542,597 6542,751 6273,1020 6273,1712 6343.02,1782.02 ; 6343.02,1782.03 ccw(c6306.72,1782.03) 6326.79,1812.28 cw(c6306.72,1782.03) 6343.02,1782.03 ; 6343.02,1782.03 cw(c6379.33,1782.03) 6359.26,1812.28 ccw(c6379.33,1782.03) 6343.02,1782.03